# Altium PCB Cortes.PcbDoc (part 2 of 4) (continued)
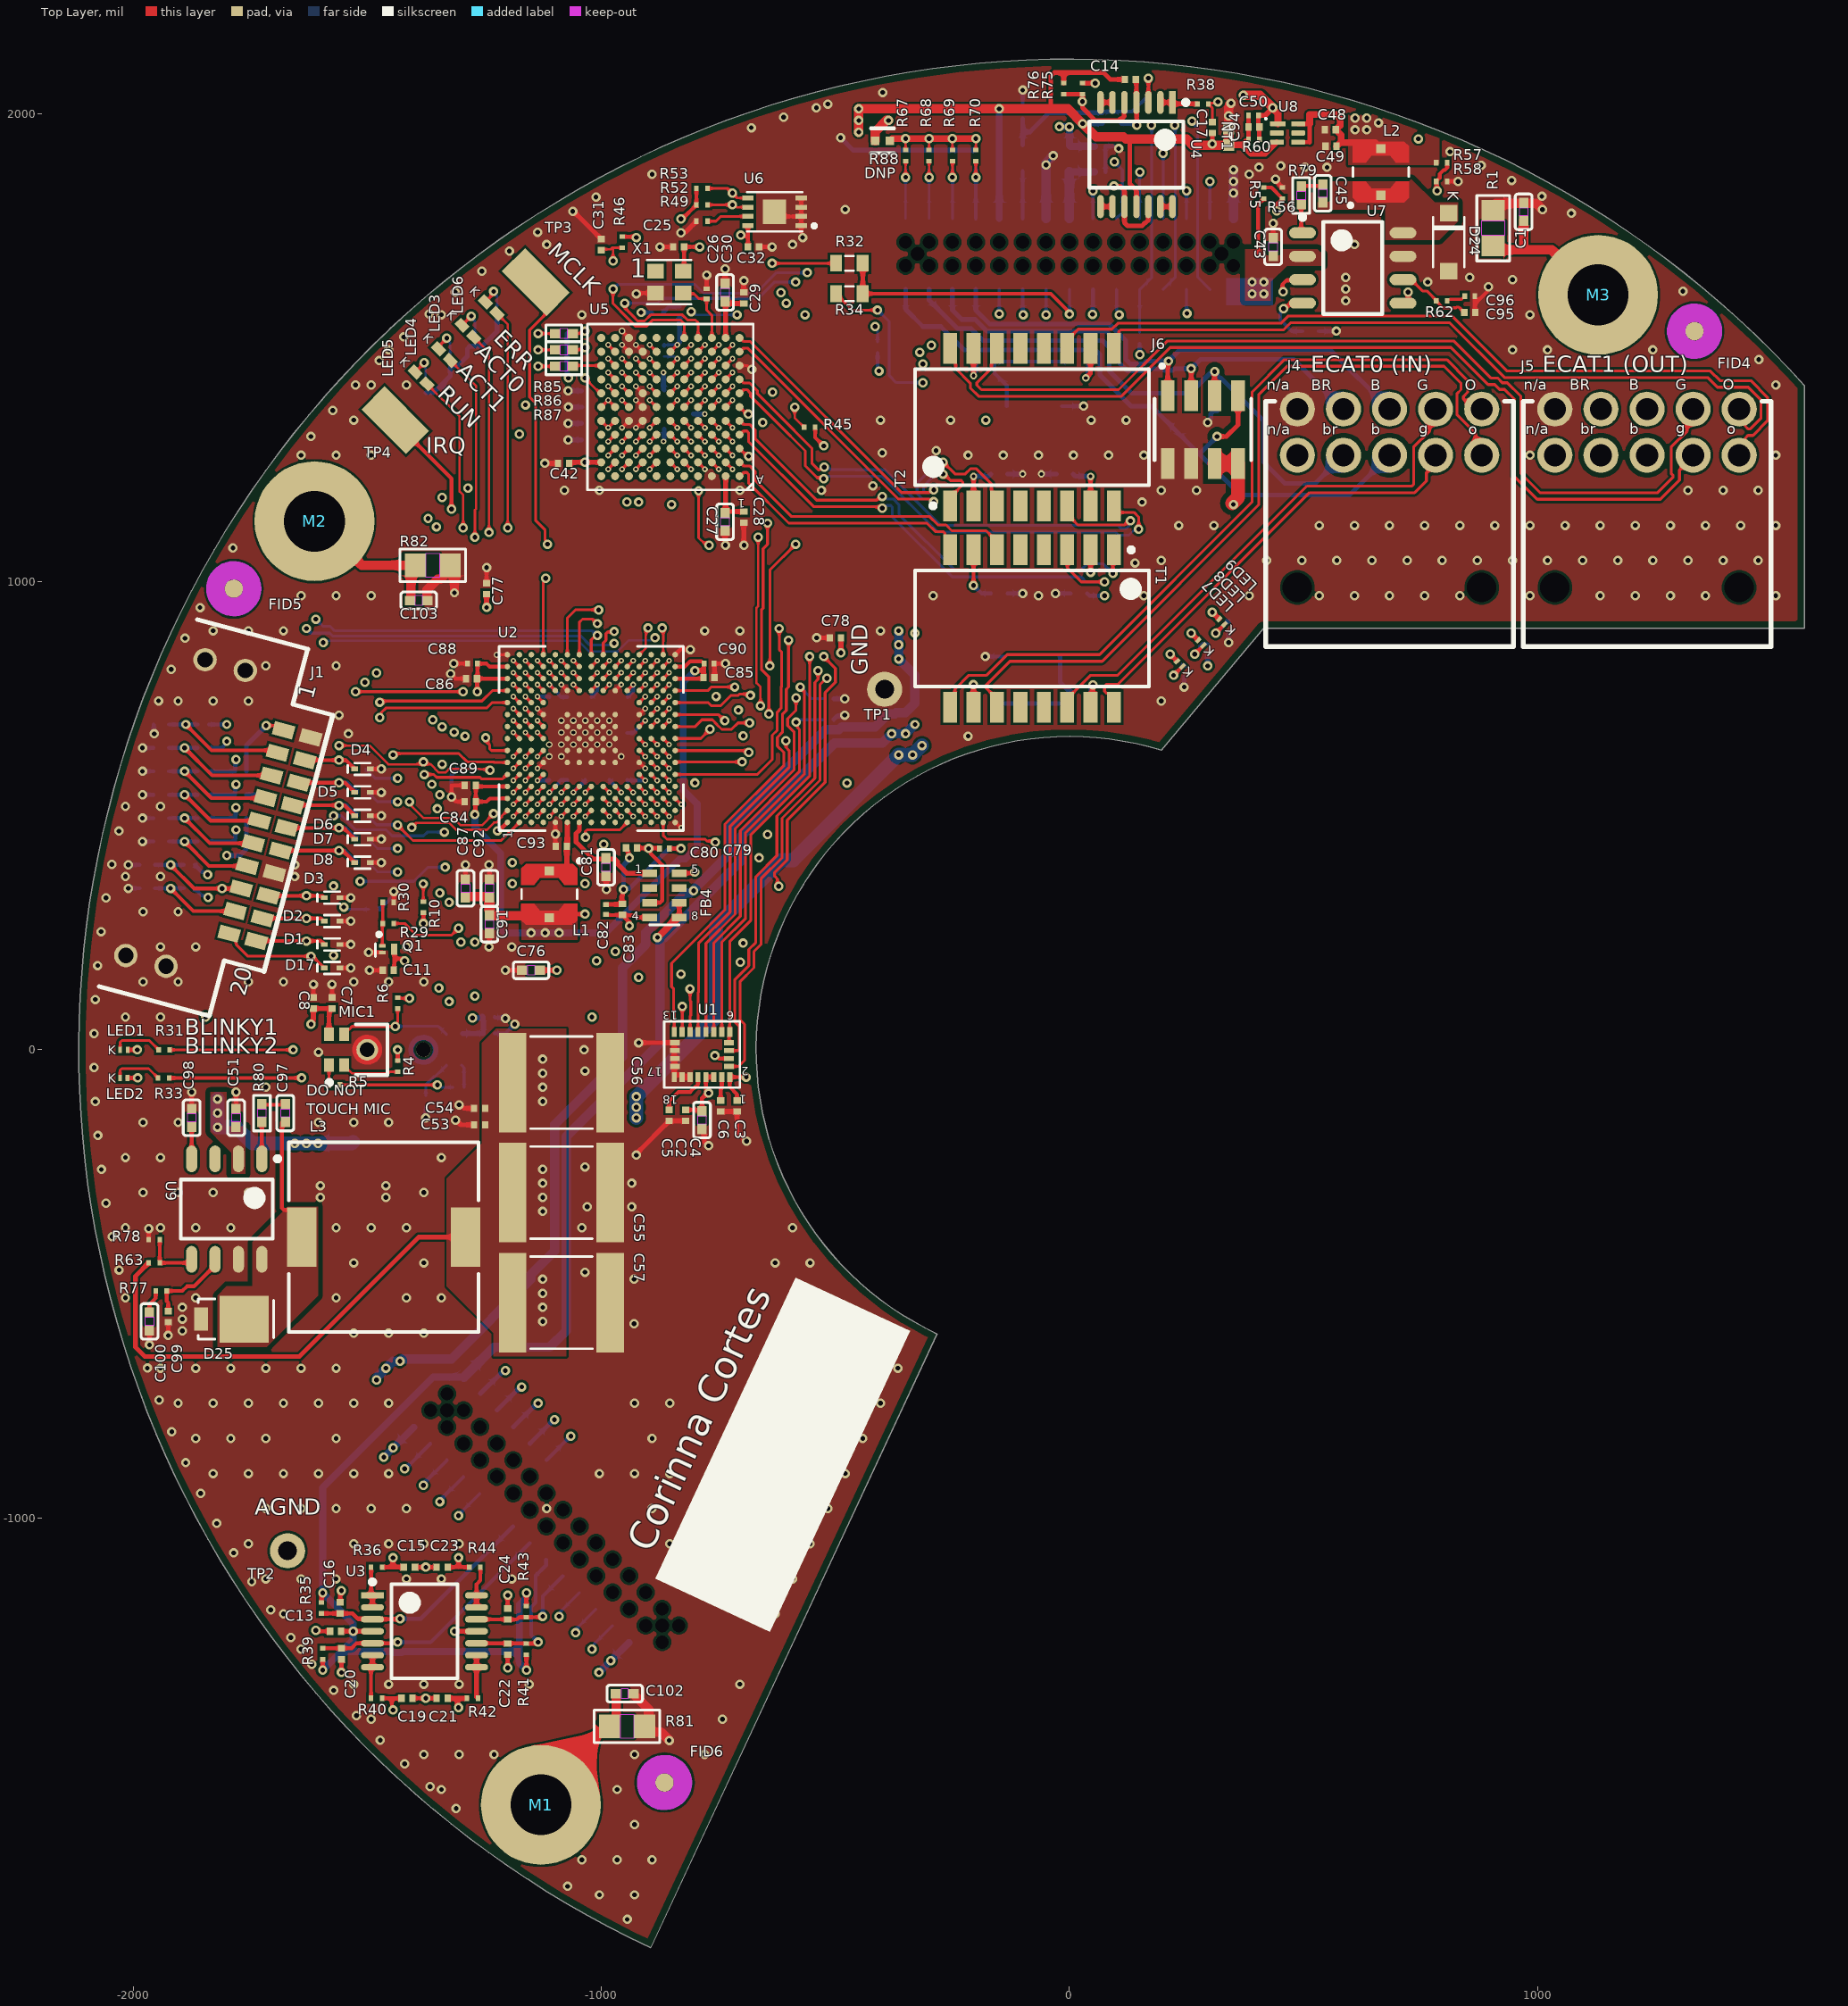
[diagram p0: Top Layer view]
## Nets (pads, with @x,y where several pads share a name; then routed paths per layer and width w, separated by ;. In a path a pad name is that pad's centre, name@x,y a point inside that pad or via, vN(x,y) a via of type N, cw(c..) or ccw(c..) an arc to the next point about the centre after c; other vN are vias at no path point) (continued)
  Top Layer w11: C50.1@403.63,1996 418,1996 v1(434,2012)
  Top Layer w15: v1(-880,240) FB4.8@-833.5,286.5 ; v1(434,2012) 434,2010.65 445,1999.65 U8.1@445,1978
  Top Layer w20: R88.2@-415.22,1941.7 -415.22,1961 -391.22,1985 v1(-386.75,1985) ; v1(371,2039) 407,2039 v1(434,2012)
  SL1 w9: v1(-330,890) v1(260,890)
  SL2 w9: v1(143.93,1975) 143.93,2043.75
  SL2 w15: -410,1985 -404.25,1979.25 -399.45,1984.04 -387.71,1984.04 v1(-386.75,1985)
  SL2 w20: v1(-380,675) v1(-350,675) v1(-330,695) v1(-330,890) -330,1400 -365,1435 -365,1600 -410,1645 -410,1985 -405.21,1989.79 -340,2055 -175,2055 -150,2080 -65,2080 -35.41,2050.41 40.41,2050.41 ; v1(54.76,2064.76) 40.41,2050.41 ; v1(434,2012) 407,2039 v1(371,2039) 360.5,2049.5 219.15,2049.5 217.32,2047.67 143.93,2047.67 81.97,2047.67 79.24,2050.41 40.41,2050.41
  Bottom Layer w9: R37.2@110,1978.19 137.76,1978.19 140.95,1975 v1(143.93,1975)
  Bottom Layer w15: v1(-1595,-1325) -1555,-1285 ; J3.1@-1293.47,-698.92 -1358.92,-698.92 -1595,-935 v1(-1595,-1160) -1530,-1225 v1(-1530,-1241.89) -1530,-1260 -1555,-1285 ; v1(-1160,-1325) -1175,-1310 -1175,-1285 ; v1(-1160,-1160) -1160.96,-1160.96 -1160.96,-1170.96 -1175,-1185 -1175,-1285 ; -1555,-1285 -1446.82,-1285 -1444.32,-1287.5 -1425.68,-1287.5 -1423.18,-1285 -1175,-1285
  Bottom Layer w20: J3.1@-1293.47,-698.92 J3.1@-1290.85,-696.31 -1229.55,-635 -1110,-635 -1075,-600 -1075,-185 -875,15 -875,235 v1(-880,240) -865,240 -700,405 -700,457.37 -502.37,655 -400,655 v1(-380,675) v1(-350,675) v1(-330,695)
3V3A_FILT: C79.1 C80.1 FB4.3 U2.M4 | length 345.2
  Top Layer w5: U2.M4@-919.05,562.58 v3(-906.26,549.79)
  Top Layer w8: C80.1@-923.6,431.16 -900,431.16 -876.79,431.16 C79.1@-875.63,430 ; v1(-899,430.08) -899,425.79 -894.94,421.73 -894.94,419.94 -870,395 -870,318.94 -874.69,314.25 FB4.3@-896.5,314.25
  SL2 w4: v3(-906.26,549.79) -893.76,537.29 -893.76,448.08 -894.28,447.56 -894.28,434.8 v1(-899,430.08)
3V3A_REF: C82.1 C83.1 FB4.4 U2.M3 | length 417.5
  Top Layer w5: U2.M3@-919.05,536.99 v3(-906.26,524.2)
  Top Layer w8: C82.1@-990,289.37 -988.88,288.25 -983.12,288.25 -983.06,288.19 C83.1@-955,288.19 C83.1@-954.21,287.4 ; v1(-940,265) -941.04,266.04 -941.04,274.23 C83.1@-954.21,287.4 ; FB4.4@-896.5,282.76 -922.52,282.76 -927.17,287.4 C83.1@-954.21,287.4
  SL1 w4: -925,470 -920,475 -920,492.78 -919.35,493.43 -919.35,511.11 v3(-906.26,524.2)
  SL1 w5: v1(-940,265) -940,269.06 -935,274.06 -935,285 -930,290 -930,383.45 -923,390.45 -923,417.04 -925,419.04 -925,470
3V3SMPS: C81.1 FB4.1 U2.G1 | length 232.9
  Top Layer w10: U2.G1@-1047.01,485.81 -1047.01,469.29 -1054.01,462.29 -1054.01,444.01 -1017.72,407.72 -990,407.72 -970.86,407.72 -965,401.86 -965,396.72 -945.53,377.24 FB4.1@-896.5,377.24
5V0: C46.1 C47.1 C48.1 C49.1 C58.1 FB2.1 L2.2 LED7.A R57.2 U8.4 U8.6 | length 2512.6
  Top Layer w8: v1(215,845) LED7.A@230,830 ; U8.4@488.31,1938.63 513.23,1938.63
  Top Layer w10: 513.23,1938.63 513.23,1978
  Top Layer w11: U8.6@488.31,1978 512.56,1978
  Top Layer w15: 513.23,1978 513.23,1997.72 569.43,1997.72 578.22,1988.93 578.22,1974.7 C48.1@568.89,1965.37 580.18,1954.09 580.18,1939.74 C49.1@570.43,1930 ; 578.41,1937.74 652.26,1937.74 L2.2@665,1925
  SL2 w8: v1(215,845) 215,910 400,1095 400,1425 525,1550 525,1965 525,1990
  SL2 w20: v1(-21.83,1971.83) v1@-1.35,1971.83 ; v1(-0.41,1971.43) -0.81,1971.83 v1@-1.35,1971.83 ; 525,1965 334.64,1965 318.11,1981.54 301.54,1981.54 270,1950 20,1950 2.5,1967.5 2.5,1967.98 v1@-1.35,1971.83 ; 525,1990 v1(610,1990) ; v1(610,1990) v1(635,1990) v1(635,1965) v1(610,1965) v1(610,1990)
  Bottom Layer w15: v1(-21.83,1971.83) -21.63,1971.63 -0.61,1971.63 v1(-0.41,1971.43) ; v1@0,1971.83 FB2.1@0,1931.84 1.84,1930 C58.1@53.19,1930
  other v1: 660,1980
24V0: C43.1 C44.1 C51.1 C101.1 J2.1 J6.6 J6.8 R55.2 U7.2 U9.2 | length 4056.2
  Top Layer w8: C51.1@-1780,-162.72 C51.1@-1775,-167.72 ; 403.01,1703.01 403.01,1806.2 R55.2@415,1818.19
  Top Layer w30: J6.6@310,1252.46 J6.8@360,1252.46 360,1180 v1@347.5,1167.5
  SL2 w30: v1(-1655,-200) v1(-1630,-200) v1(-1605,-200) -1425,-200 -1410,-185 -955,-185 -925,-155 v1(-925,-145) v1(-925,-122.5) v1(-925,-100) ; v1(-365,630) v1(-335,630) v1(-315,650) -245,720 95,720 165,790 165,925 350,1110 v1(350,1165) 350,1412.68 371,1433.68 371,1437.01 390,1456.01 v1(390,1615) v1(390,1640)
  Bottom Layer w30: v1(-1820,-105) v1(-1820,-135) v1(-1820,-165) -1780,-165 -1745,-200 v1(-1655,-200) v1(-1630,-200) v1(-1605,-200) -1533.15,-200 C101.1@-1530,-196.85 ; v1(-925,-145) v1(-925,-122.5) v1(-925,-100) -755,70 -755,265 -615,405 -590,405 v1(-365,630) v1(-335,630) v1(-315,650)
  other v1: 415,1615 415,1640
24V0_SAFE_ADC: J3.9 U2.P1 | length 1614.6
  Top Layer w6: U2.P1@-867.87,485.81 -867.87,457.87 -860,450 -778.5,450 -774.68,446.18 -759.18,446.18 v1(-756.5,443.5)
  SL1 w6: v1(-1100,-790) -834,-524 -834,-63.79 -819.6,-49.39 -819.6,13.28 -809,23.88 -809,100.13 -828.39,119.53 -828.39,137.85 -817.85,148.39 ; -817.81,148.39 -807,159.2 -807,263.56 -751,319.56 -751,435.71 -756.5,441.21 v1(-756.5,443.5)
  Bottom Layer w10: J3.9@-1152.05,-840.34 -1101.7,-790 v1(-1100,-790)
100MHz: C26.1 U5.L3 X1.3 | length 143.8
  Top Layer w6: X1.3@-825.47,1616.38 -824.09,1615 -801.93,1615 -791.3,1604.37 C26.1@-775,1604.37 -775,1580 -763.88,1568.88 U5.L3@-763.88,1520.67
AGM_CLK: U1.2 U2.P12 | length 1295.3
  Top Layer w5: U2.P12@-867.87,767.31 v3(-855.08,780.1)
  Top Layer w6: U1.2@-727.13,-35.39 -706.69,-35.39 -694,-22.7 -694,54.56 -703.75,64.3 -703.75,145.7 -674,175.44 -674,209.98 -659,224.98 -659,365.44 -614,410.44 -614,494.89 -533,575.89 -533,780 v1@-519.54,793.46
  SL2 w5: v3(-855.08,780.1) -784.9,780.1 -772.5,792.5 -727.13,792.5 -519.21,792.5 v1(-518.25,793.46)
AGM_CS_AG: R2.2 U1.7 U2.R12 | length 1141.4
  Top Layer w6: U2.R12@-842.28,767.31 -772.69,767.31 -765,775 v1(-715,775) ; U1.7@-742.68,38.03 -742.68,230.1 -692,280.77 -692,463.56 -566,589.56 -566,764.49 v1@-575,773.49
  SL2 w6: v1(-715,775) v1(-575,775)
  Bottom Layer w6: v1(-575,775) -550,750 R2.2@-526.81,750
AGM_CS_M: R3.2 U1.8 U2.R9 | length 1079.2
  Top Layer w6: U2.R9@-842.28,690.54 -799.46,690.54 -785,705 -762.74,705 -753.26,695.52 -753.26,695.1 -742.72,684.56 -727.13,684.56 -721.95,684.56 -708.03,698.47 v1(-683.47,698.47) ; U1.8@-759.61,38.03 -759.61,228.72 -703,285.33 -703,468.11 -577,594.11 -577,684.56 -581.32,688.88 -581.32,697.32 v1(-584,700)
  SL2 w6: v1(-683.47,698.47) -682.71,699.24 -584.76,699.24 v1(-584,700)
  Bottom Layer w6: v1(-584,700) -580.21,700 -575.21,705 R3.2@-526.81,705
AGM_DATA_EN_AG: U1.13 U2.P14 | length 1249.1
  Top Layer w5: U2.P14@-867.87,818.49 v3(-855.08,831.28)
  Top Layer w6: U1.13@-844.25,38.03 -844.25,84.15 -845.32,85.22 -845.32,130.32 -850,135 -850,185 -736,299 -736,481.78 -610,607.78 -610,635 -624,649 -624,667.46 -613.29,678.17 -613.29,716.71 -605,725 -605,770 -600,775 v1(-600,875)
  SL2 w5: v3(-855.08,831.28) -826,860.36 -826,866 -817,875 -727.13,875 v1(-600,875)
AGM_DRDY_M: U1.9 U2.R11 | length 1079.8
  Top Layer w6: U2.R11@-842.28,741.72 -771.72,741.72 -765,735 -745,735 -723,757 -707.54,757 -704.54,760 -690.51,760 -690.19,759.68 -684.09,759.68 v1(-681.41,757) ; U1.9@-776.54,38.03 -776.54,227.35 -714,289.89 -714,472.67 -588,598.67 -588,678.54 -602,692.54 -602,707.46 -591.46,718 -584.06,725.39 v1(-584.06,751.7)
  SL2 w6: v1(-681.41,757) -592,757 -586.7,751.7 v1(-584.06,751.7)
AGM_INT1_AG: U1.11 U2.B4 | length 1253.2
  Top Layer w5: v3(-1187.76,549.79) U2.B4@-1174.96,562.58
  Top Layer w6: U1.11@-810.39,38.03 -810.39,72.26 -809,73.66 -809,103.88 -810.39,105.27 v1(-810.39,130.39)
  SL1 w5: v1(-1345,545) -1341.72,545 -1329.22,557.5 -1315.71,557.5 -1197.9,557.5 -1190.19,549.79 v3(-1187.76,549.79)
  SL1 w6: v1(-1346.96,131.96) -1345.98,132.93 -1345.98,334.02 v1(-1345,335)
  SL2 w6: v1(-1346.96,131.96) -1345.91,133 -1048.46,133 -1045.86,130.39 v1(-810.39,130.39) ; v1(-1345,335) -1362.37,352.37 -1362.37,362.09 -1373.71,373.43 -1373.71,516.75 -1345.46,545 v1(-1345,545)
AGM_INT2_AG: U1.12 U2.C4 | length 1212.3
  Top Layer w5: v3(-1162.17,549.79) U2.C4@-1149.37,562.58
  Top Layer w6: U1.12@-827.32,38.03 -827.16,38.19 -827.16,92.52 v1(-827,92.68)
  SL1 w4: -1305,515 -1285,535 -1194.63,535 -1192.93,536.7 -1175.26,536.7 v3(-1162.17,549.79)
  SL1 w5: v1(-1350,515) -1330,515 -1327.5,512.5 -1315.71,512.5 ; -1315.58,512.5 -1313.08,515 -1305,515
  SL1 w6: v1(-1325,103) v1(-1325,315)
  SL2 w6: v1(-1350,515) -1350,475.46 -1362.71,462.75 -1362.71,377.99 -1344.94,360.22 -1344.77,360.22 -1325,340.46 v1(-1325,315) ; v1(-1325,103) -1283.46,103 -1277.46,97 -1031.44,97 -1027.12,92.68 v1(-827,92.68)
AGM_INT_M: U1.10 U2.N8 | length 1011.1
  Top Layer w5: U2.N8@-893.46,664.94 v3(-880.67,652.15)
  Top Layer w6: U1.10@-793.46,38.03 -793.46,121.87 -792.39,122.94 -792.39,227.05 -725,294.44 -725,477.23 -599,603.23 -599,639.56 -605.29,645.84 -605.29,657.35 v1@-606,658.06
  SL2 w4: v3(-880.67,652.15) -868.17,639.65 -849.9,639.65 -849.55,640 -820,640
  SL2 w5: -820,640 -710,640 -700,650 -696.89,653.11 -689.7,653.11 -687.82,655 -608.93,655 -606,657.93 v1(-606,660)
AGM_MISO: U1.5 U1.6 U2.P13 | length 1232.4
  Top Layer w5: U2.P13@-867.87,792.9 v3(-855.08,805.69)
  Top Layer w6: U1.5@-727.13,15.39 -727.13,36.65 U1.6@-725.75,38.03 -725.75,231.47 -681,276.22 -681,459 -555,585 v1(-555,840)
  SL2 w6: v3(-855.08,805.69) -839.31,805.69 -810,835 -770,835 -760,845 -720,845 -715,840 v1(-555,840)
AGM_MOSI: U1.4 U2.M12 | length 1311.9
  Top Layer w5: U2.M12@-919.05,767.31 v3(-906.26,780.1)
  Top Layer w6: U1.4@-727.13,-1.54 -708.51,-1.54 -705,1.98 -705,50 -714.75,59.75 -714.75,150.25 -685,180 -685,214.54 -670,229.54 -670,370 -625,415 -625,499.44 -544,580.44 -544,784.56 -537,791.56 v1@-537,810.21
  SL2 w4: v3(-906.26,780.1) -893.17,793.19 -834.2,793.19
  SL2 w5: -834.2,793.19 -831,790 -795,790 -782.5,802.5 -727.13,802.5 -632.75,802.5 -625.25,810 v1(-537,810)
AGND: C13.2 C14.2 C15.2 C16.2 C17.2 C18.2 C19.2 C20.2 C21.2 C22.2 C23.2 C24.2 C50.2 C79.2 C80.2 C82.2 C83.2 C94.2 J2.22 J3.2 J3.28 NT1.2 R60.1 R61.2 R76.1 TP2.1 U2.L4 U2.N3 U3.11 U4.11 U8.3 | length 7170.9
  Top Layer w5: U2.L4@-944.65,562.58 v3(-931.85,549.79) ; U2.N3@-893.46,536.99 v3(-880.67,524.2)
  Top Layer w8: v1(-1610,-1240) -1608.11,-1241.89 C13.2@-1579.45,-1241.89 ; C16.2@-1557.64,-1180.08 -1557.64,-1163.19 -1557.3,-1162.85 -1557.3,-1157.3 v1(-1555,-1155) ; v1(-1555,-1330) C20.2@-1555,-1301.81 ; C19.2@-1403.19,-1385 v1(-1375,-1385) C21.2@-1351.81,-1385 ; C15.2@-1398.19,-1105 v1(-1375,-1105) C23.2@-1351.81,-1105 ; v1(-1200,-1320) C22.2@-1200,-1291.81 ; C24.2@-1200,-1193.19 v1(-1200,-1165) ; C80.2@-947.22,431.16 -947.22,430.17 -942.3,425.25 -942.3,412.3 v2(-940,410) ; C79.2@-854.37,430 v1(-830,430)
  Top Layer w10: v1(-1313.11,-1241.89) U3.11@-1266.42,-1241.89 ; C82.2@-990,310.63 -956.18,310.63 -956.18,328.7 -954.41,330.47 -954.41,340.59 v1(-952.5,342.5) ; -40,2010 -40,2080 -32.4,2087.6 -12.4,2087.6 ; R76.1@-12.4,2064.76 -12.4,2087.6 ; C14.2@118.21,2072.67 87.33,2072.67 72.4,2087.6 -12.4,2087.6 ; 128.88,1936.48 128.88,1850 142.95,1835.92 U4.11@142.95,1801.18 ; v1(305,1935) C17.2@305,1958.19 ; NT1.2@340,1932.28 NT1.2@340.71,1932.99 ; 368.01,1932.99 376.78,1941.77 379.78,1941.77 382.19,1944.17 R60.1@382.19,1945 ; R60.1@382.19,1948.83 C94.2@382.19,1971 382.19,1993 382.19,1995.82 C50.2@382.37,1996
  Top Layer w12: 368.01,1932.99 387,1914 418.4,1914 U8.3@443.03,1938.63
  Top Layer w15: NT1.2@340.71,1932.99 368.01,1932.99
  Top Layer w20: v1(-450,1960) v1(-450,1985) v1(-450,2010) v1(-150,2010) -40,2010 -3.62,2010 v1(28.19,1978.19) 56.38,1950 115.36,1950 120.36,1945 128.88,1945 250,1945 262.72,1932.28 305,1932.28 NT1.2@340,1932.28
  SL1 w10: v1(-365,835) -350,820 v1(295,820)
  SL2 w4: -920,480 -920,492.78 -919.35,493.43 -919.35,529.37 -920,530.02 -920,537.94 v3(-931.85,549.79) -919.35,562.29 -874.63,562.29 -868.17,555.83 -868.17,536.7 v3(-880.67,524.2)
  SL2 w5: v2(-940,410) -920,430 -920,480
  SL2 w10: v1(-952.5,342.5) -950.59,340.59 -943.52,340.59 -942.93,340 v1(-802.76,340)
  SL2 w20: v1(-450,2010) v1(-450,1960) -450,1435 -365,1350 v1(-365,895) v1(-365,865) v1(-365,835)
  Bottom Layer w8: -855,430 v1(-830,430)
  Bottom Layer w10: v2(-940,410) -940,407.29 -952.5,394.79 v1(-952.5,342.5) -950.59,344.41 -940.59,344.41 -855,430 ; v1(28.19,1978.19) C18.2@70,1978.19 ; v1(295,820) R61.2@295,843.19
  Bottom Layer w15: v1(-1464.55,-870) v1(-1444.55,-850) J3.2@-1400.65,-806.1 ; v1(-1005,-1330) v1(-980,-1305) -941.03,-1266.03 J3.28@-941.03,-1265.72 ; J2.22@-150,1775.79 v1(-150,2010)
  Bottom Layer w20: v1(-1480,-705) -1480,-700 v1(-1460,-680) -1445,-665 v1(-1430,-665) -1425,-660 -1320,-660 -1150,-490 -1150,-479.64 -1100,-429.64 -1100,-160 -955,-15 -955,175 -905,225 -905,250.36 -820.36,335 -809.64,335 -725,419.64 -725,480 -520.91,684.09 -492.05,684.09 -486.15,690 -415,690 -387.5,717.5 -373.25,717.5 -370.75,720 -350,720 -330,740 -330,800 v1(-365,835) v1(-365,865) v1(-365,895)
BLINKY1: D3.K J1.16 R31.1 U2.J13 | length 2058.2
  Top Layer w5: U2.J13@-995.83,792.9 v3(-983.03,805.69)
  Top Layer w6: R31.1@-1921.71,0 v1(-1658,0)
  Top Layer w8: J1.16@-1711.23,329.12 v1(-1630,329.12) -1595.66,329.12 D3.K@-1591.54,325
  SL1 w4: v3(-983.03,805.69) -970,818.72 -970,865.8 v1(-972.58,868.38)
  SL1 w6: v1(-1658,0) -1656.39,0 -1651,5.39 -1651,308.12 v1(-1630,329.12) v1(-1630,900)
  Bottom Layer w5: -983.43,865 -982.88,865.55 -975.41,865.55 v1(-972.58,868.38)
  Bottom Layer w6: v1(-1630,900) -1620,890 -1580,890 -1574,884 -1044,884 -1025,865 -983.43,865
BLINKY2: D1.K J1.20 R33.1 U2.M13 | length 2216.6
  Top Layer w5: U2.M13@-919.05,792.9 v3(-906.26,805.69)
  Top Layer w8: R33.1@-1923.19,-60 v1(-1640,-60) ; J1.20@-1737.11,232.53 v1(-1630,232.53) -1607.99,232.53 -1606.84,233.68 -1600.21,233.68 D1.K@-1591.54,225
  SL1 w4: v3(-906.26,805.69) -891.16,820.79 -891.16,824.1 -893.17,826.11 -893.17,836.46 -890,839.63 -890,870.67 -885,875.67 v1(-885,880)
  SL1 w6: v1(-1640,-60) -1640,221.85 v1@-1630,231.85 ; v1(-1630,232.53) -1601,261.53 -1601,859.49 -1594,866.49 v1(-1594,870)
  SL1 w8: v1@-1630,231.85 v1(-1630,232.53)
  Bottom Layer w5: v1(-1594,870) -1591.13,872.87 -1584.2,872.87 -1583.57,873.5 -1048.35,873.5 -1025.73,850.88 -965.33,850.88 -941.2,875 -894.06,875 -889.06,880 v1(-885,880)
BOOT0: D17.K J1.19 R9.2 R87.2 U2.C5 | length 2216.5
  Top Layer w5: v1(-1560,650) -1495,650 -1455,610 -1364.75,610 -1347.25,592.5 -1332.75,592.5 -1325.25,600 -1259.5,600 -1258.87,599.37 -1239.79,599.37 v1(-1237.5,597.08) ; v3(-1162.17,575.38) U2.C5@-1149.37,588.17
  Top Layer w6: J1.19@-1779.8,232.79 -1779.8,224.8 -1755,200 v1(-1620,200) -1616.54,200 D17.K@-1591.54,175 ; v1(-1135,1460) R87.2@-1100.18,1460
  SL1 w4: v1(-1237.5,597.08) -1235.17,596.5 -1234.4,595.73 -1227.14,588.47 -1175.26,588.47 v3(-1162.17,575.38)
  SL1 w6: v1(-1620,200) -1590,230 -1590,620 v1(-1560,650)
  SL2 w6: v1(-1380,615) -1380,639.44 -1391,650.44 -1391,651 -1415,675 -1415,1205 -1160,1460 v1(-1135,1460)
  Bottom Layer w5: R9.2@-1283.19,600 -1282.19,599 -1239.42,599 v1(-1237.5,597.08)
BUS_VOLTAGE_ADC: J3.11 U2.R10 | length 1857.9
  Top Layer w6: U2.R10@-842.28,716.13 -749.98,716.13 -737.18,703.33 v1(-736.03,703.33)
  SL1 w6: v1(-1065,-825) -823,-583 -823,-68.35 -808.6,-53.94 -808.6,8.72 -792.39,24.93 -792.39,262.61 -739,316 -739,383.45 -739,507.43 -745,513.43 -745,660 -750,665 -750,689.36 v1(-736.03,703.33)
  Bottom Layer w8: J3.11@-1116.69,-875.7 -1065.99,-825 v1(-1065,-825)
C_nRST: C11.1 D15.K J1.15 Q1.3 R25.2 | length 848.8
  Top Layer w5: v1@-1819.42,344.65 v1(-1810,344.65)
  Top Layer w8: v1(-1920,395) -1869.65,344.65 v1@-1819.42,344.65 ; v1(-1810,344.65) J1.15@-1769.19,344.65 J1.15@-1772.9,348.36 ; C11.1@-1442.2,170.98 -1442.2,195 ; Q1.3@-1442.2,215 -1442.2,195 ; v1@-1423.25,190 -1428.25,195 -1442.2,195
  SL1 w5: v1(-1572,202) v1(-1572,350)
  SL2 w5: v1(-1810,344.65) -1655.35,344.65 -1650,350 v1(-1572,350) ; v1(-1572,202) -1527,202 -1515,190 v1(-1420,190)
  Bottom Layer w8: D15.K@-1953.46,395 v1(-1920,395) R25.2@-1891.81,395
DRIVE_THERM: C24.1 J3.20 R43.1 U3.12 | length 247.8
  Top Layer w8: U3.12@-1266.42,-1216.3 -1200.51,-1216.3 C24.1@-1200,-1216.81 -1180.59,-1216.81 -1175.59,-1211.81 R43.1@-1160,-1211.81 -1126.81,-1211.81 v1(-1125,-1210)
  Bottom Layer w8: v1(-1125,-1210) -1125,-1166.85 J3.20@-1082.45,-1124.3
DRIVE_THERM_ADC: C23.1 R44.2 U2.K3 | length 3183
  Top Layer w5: U2.K3@-970.24,536.99 v3(-957.44,524.2)
  Top Layer w8: C23.1@-1328.19,-1105 -1305,-1105 ; v1(-1305,-1085) -1305,-1105 ; R44.2@-1281.81,-1105 -1305,-1105
  SL1 w6: v1(-1305,-1085) -1305,-1184.12 -1295.11,-1194.01 -1295.11,-1289.33 -1209.72,-1374.72 -1177.44,-1407 -828.67,-1407 -693,-1271.33 -693,-263.67 -741.38,-215.29 -741.38,-37.19 -728.6,-24.41 -728.6,-0.39 -732,3.01 -732,238 -660,310 v1@-660,410
  SL2 w4: v3(-957.44,524.2) -944.94,511.7 -944.94,493.43 -945,493.37 -945,445
  SL2 w5: -945,445 -945,429.69 -961,413.69 -961,398 -956,393 -927,393 -910,410 -785.86,410 v1(-663,410)
E_MCLK: TP3.1 U5.F2 | length 1512.7
  Top Layer w5: U5.F2@-734.35,1373.04 v3(-719.59,1387.8)
  Top Layer w6: TP3.1@-1140,1640 -1117.88,1617.88 -1117.88,1572.57 -1153,1537.46 -1153,1394 -1140,1381 -1140,1130 -1120,1110 -1120,1088.79 -1115,1083.79 v1(-1115,1080)
  SL1 w5: v1(-1115,1080) -1112.5,1082.5 -980,1082.5 -822.9,1082.5 -785.88,1119.52 -744.77,1119.52 -729.29,1135 -706.72,1135 -630,1211.72 -630,1304.94 -569.5,1365.44 -569.5,1379.93 -569.78,1380.22 -584.57,1395 -595,1395 -602.5,1387.5 -641.25,1387.5 -641.55,1387.8 -663.39,1387.8 v3(-719.59,1387.8)
E_MDIO: R45.1 U5.F3 | length 241.9
  Top Layer w5: U5.F3@-763.88,1373.04 v3(-749.11,1387.8) ; v1(-587,1372.68) -587,1350.19 R45.1@-566.81,1330
  SL1 w5: v3(-749.11,1387.8) -734.61,1373.3 -695.38,1373.3 -693.4,1375.28 -625,1375.28 -589.59,1375.28 v1(-587,1372.68)
E_MFC_IRQ: TP4.1 U5.E6 | length 913.9
  Top Layer w5: U5.E6@-852.46,1343.51 v3(-837.7,1328.74)
  Top Layer w8: TP4.1@-1460,1360 -1320,1220 v1(-1320,1155)
  SL1 w5: v1(-1320,1155) -1227.18,1155 -1219.68,1162.5 -1090,1162.5 -1064.18,1162.5 -1054.18,1152.5 -898.68,1152.5 -870.08,1181.1 -870.08,1275.59 -852.36,1293.31 -852.36,1314.08 v3(-837.7,1328.74)
ECAT_EEPROM_CLK: R52.1 U5.H4 U6.6 | length 495.7
  Top Layer w5: U5.H4@-793.41,1432.09 v3(-778.64,1446.85) ; v1(-720,1805) -715.94,1805 -710.78,1799.84 U6.6@-687.09,1799.84
  Top Layer w6: R52.1@-773.19,1805 v1(-720,1805)
  SL2 w5: v3(-778.64,1446.85) -763.78,1461.72 -763.78,1561.02
  SL2 w6: -763.78,1561.02 -763.78,1606.22 -715,1655 -715,1680 -720,1685 v1(-720,1805)
ECAT_EEPROM_DATA: R53.1 U5.H5 U6.5 | length 552.9
  Top Layer w5: U5.H5@-822.93,1432.09 v3(-808.17,1446.85) ; v1(-720,1830) -709.53,1819.53 U6.5@-687.09,1819.53
  Top Layer w6: R53.1@-773.19,1840 -730.51,1840 -720.51,1830 v1(-720,1830)
  SL2 w5: v3(-808.17,1446.85) -793.14,1461.88 -793.14,1522.83 -790.67,1525.3 -790.67,1605
  SL2 w6: -790.67,1605 -790.67,1630.67 -805,1645 -805,1665 -745,1725 -745,1815 -732.44,1827.56 -722.44,1827.56 v1(-720,1830)
ECAT_LATCH_IN0: U2.J15 U5.C7 | length 495.3
  Top Layer w5: v3(-896.75,1269.69) U5.C7@-881.99,1284.45
  Top Layer w6: U2.J15@-995.83,844.08 -995.83,869.17 -990,875 -990,889.11 -986.49,892.62 -973.23,892.62 v1(-972.42,893.43)
  SL1 w5: v1(-920,1170) -920,1225.93 -911.78,1234.16 -911.78,1254.66 v3(-896.75,1269.69)
  SL2 w6: v1(-972.42,893.43) -972.42,920.85 -972.42,921.01 -971,922.44 -971,1019 -919.94,1070.06 -919.94,1145 -919.94,1169.93 v1(-920,1170)
ECAT_LATCH_IN1: U2.B5 U5.C6 | length 1481.1
  Top Layer w5: v3(-1187.76,575.38) U2.B5@-1174.96,588.17 ; U5.C6@-852.46,1284.45 v3(-837.7,1269.69)
  SL1 w5: v1(-1370,1135) -1315,1135 -1305,1145 -1223.03,1145 -1215.53,1152.5 -1080.67,1152.5 -1070.67,1142.5 -847.75,1142.5 -822.83,1167.42 -822.83,1254.83 v3(-837.7,1269.69)
  SL1 w6: v1(-1361.92,567.25) -1360.06,567.25 -1346.85,580.47 -1344.02,580.47 -1341.49,583 -1314.67,583 -1311.67,580 -1305,580 -1300.38,575.38 v3(-1187.76,575.38)
  SL2 w6: v1(-1370,1135) -1370,800 -1370,745 -1380,735 -1380,655 -1360,635 -1360,569.18 v1(-1361.92,567.25)
ECAT_LED_ACT0: LED3.A U5.D3 | length 1254.7
  Top Layer w5: LED3.A@-1272.47,1522.47 -1240,1490 v1(-1240,1105) ; U5.D3@-763.88,1313.98 v3(-749.11,1299.22)
  SL1 w5: v1(-1240,1105) -1214.75,1105 -1207.25,1097.5 -1160.43,1097.5 -1150.43,1107.5 -1092.24,1107.5 -1087.24,1102.5 -831.18,1102.5 -794.16,1139.52 -753.05,1139.52 -737.57,1155 -715,1155 -650,1220 -650,1258.27 -677.19,1285.46 -704.73,1285.46 -705.47,1284.72 -734.61,1284.72 v3(-749.11,1299.22)
ECAT_LED_ACT1: LED4.A U5.E3 | length 1316.6
  Top Layer w5: LED4.A@-1322.47,1472.47 -1267.5,1417.5 -1267.5,1155.84 -1270,1153.34 v1(-1270,1095) ; U5.E3@-763.88,1343.51 v3(-749.11,1328.74)
  SL1 w5: v1(-1270,1095) -1267.13,1092.13 -1251.88,1092.13 -1247.25,1087.5 -1156.29,1087.5 -1146.29,1097.5 -1096.38,1097.5 -1091.38,1092.5 -827.04,1092.5 -790.02,1129.52 -748.91,1129.52 -733.43,1145 -710.86,1145 -640,1215.86 -640,1298.02 -656.23,1314.24 -734.61,1314.24 v3(-749.11,1328.74)
ECAT_LED_ERR: LED6.A U5.C3 | length 1089.7
  Top Layer w5: LED6.A@-1222.47,1572.47 -1200,1550 v1(-1200,1115) v1@-1200,1110 ; U5.C3@-763.88,1284.45 v3(-749.11,1269.69)
  SL1 w5: v1(-1200,1115) -1197.5,1117.5 -1088.1,1117.5 -1083.1,1112.5 -835.33,1112.5 -798.3,1149.52 -757.9,1149.52 -752.42,1155 -751.72,1155 -739.11,1167.6 -739.11,1205.89 -734.25,1210.75 -734.25,1254.83 v3(-749.11,1269.69)
ECAT_LED_RUN: LED5.A U5.B3 | length 1006.1
  Top Layer w5: LED5.A@-1372.47,1422.47 -1302.5,1352.5 -1302.5,1192.75 -1295,1185.25 v1(-1295,1115) ; U5.B3@-763.88,1254.93 v3(-749.11,1240.16)
  SL1 w5: v1(-1295,1115) -1254.75,1115 -1247.25,1122.5 -1217.25,1122.5 -1207.25,1132.5 -1088.96,1132.5 -1078.96,1122.5 -839.47,1122.5 -802.45,1159.52 -762.04,1159.52 -749.11,1172.45 v3(-749.11,1240.16)
ECAT_MFC_CS: U2.B10 U5.D4 | length 1379.2
  Top Layer w5: v3(-1187.76,728.92) U2.B10@-1174.96,716.13 ; U5.D4@-793.41,1313.98 v3(-778.64,1299.22)
  SL1 w5: v1(-1352,1117.32) -1349.32,1120 -1315.86,1120 -1300.86,1135 -1218.89,1135 -1211.39,1142.5 -1084.82,1142.5 -1074.82,1132.5 -843.61,1132.5 -806.59,1169.52 -780.48,1169.52 -763.78,1186.22 -763.78,1284.35 v3(-778.64,1299.22)
  SL1 w6: v1(-1360,705) -1356.21,705 -1352.97,708.24 -1351.21,710 -1315.71,711.48 -1243.63,714.5 -1229.21,728.92 v3(-1187.76,728.92)
  SL2 w6: v1(-1360,705) -1360,707.51 -1352,715.51 v1(-1352,1117.32)
ECAT_MFCIO_0: U2.D9 U5.J8 | length 1334.2
  Top Layer w5: v3(-1136.57,703.33) U2.D9@-1123.78,690.54 ; v3(-926.28,1476.38) U5.J8@-911.52,1461.62
  SL1 w4: -1225,690 -1193.17,690 -1192.93,690.24 -1149.67,690.24 v3(-1136.57,703.33)
  SL1 w5: v1(-1285,1200) -1265,1200 -1097.5,1367.5 -1097.5,1479.47 -1094.47,1482.5 -1090,1482.5 -1027.05,1482.5 -1018.67,1490.88 -940.78,1490.88 v3(-926.28,1476.38)
  SL1 w6: v1(-1314.41,678.78) -1310.62,678.78 -1299.9,689.5 -1262.38,689.5 -1261.38,690.5 -1259.27,691 -1257.77,692.5 -1236.23,692.5 -1225.5,690.5 -1225,690
  SL2 w6: v1(-1314.41,678.78) -1313.53,679.66 -1313.53,701.35 -1309.5,705.38 -1309.5,724.5 -1315.71,730.71 -1315.71,779.29 -1295,800 -1295,1085 -1315,1105 -1315,1130 -1285,1160 v1(-1285,1200)
ECAT_MFCNES: U2.L13 U5.C5 | length 605.4
  Top Layer w5: U2.L13@-944.65,792.9 v3(-931.85,805.69) ; U5.C5@-822.93,1284.45 v3(-808.17,1269.69) ; v1(-792.24,1194.04) -792.24,1145 -792.24,1093.93 -779.18,1080.87 -772.86,1080.87 v1(-769.99,1078)
  SL1 w5: v3(-808.17,1269.69) -793.14,1254.66 -793.14,1234.16 -792.24,1233.25 v1(-792.24,1194.04)
  SL2 w4: v3(-931.85,805.69) -918.76,818.78 -918.76,905.57 -916,908.33 -916,920.85
  SL2 w6: -916,920.85 -916,959 -797,1078 v1(-769.99,1078)
ECAT_PDI_CLK: U2.P15 U5.K3 | length 1183.7
  Top Layer w5: v1(-870,901) -870,900 -867.5,897.5 -867.5,872.75 -867.87,872.38 U2.P15@-867.87,844.08 ; U5.K3@-763.88,1491.15 v3(-749.11,1505.91)
  SL1 w5: v3(-749.11,1505.91) -749.11,1575.69 -729.8,1595 v1(-605,1595)
  SL2 w6: v1(-870,901) -870,965 -815,1020 -680,1020 -605,1095 v1(-605,1595)
ECAT_PDI_CS: U2.R5 U5.L4 | length 1911.3
  Top Layer w6: v1(-950,1595) -950,1585 -933,1568 -933,1567.54 -922.46,1557 -907.54,1557 -894.54,1570 -826.79,1570 -815.62,1558.83 -798.83,1558.83 -793.41,1553.41 U5.L4@-793.41,1520.67 ; U2.R5@-842.28,588.17 -666.83,588.17 -635,620 -635,672.01 -624.29,682.73 -624.29,721.27 -616,729.56 -616,774.56 -615,775.56 -615,850 -620,855 v1(-620,900)
  SL2 w6: v1(-620,900) -620,1005 -567,1058 -567,1087.46 -574,1094.46 -574,1326 -545,1355 -545,1580 -585,1620 v1(-585,1640)
  Bottom Layer w6: v1(-950,1595) -880,1595 -870,1605 -665,1605 -630,1640 v1(-585,1640)
ECAT_PDI_EOF: U2.P10 U5.G3 | length 1206.4
  Top Layer w5: U2.P10@-867.87,716.13 v3(-855.08,728.92) ; U5.G3@-763.88,1402.56 v3(-749.11,1417.33)
  Top Layer w6: v1(-645,1125) -645,1080 -654.5,1070.5 -654.5,943.02 -658,939.52 -658,812.54 -642,796.54 -642,717.57 v1(-642.29,717.29)
  SL1 w5: v3(-749.11,1417.33) -734.09,1432.35 -607.35,1432.35 -570,1395 -570,1394.58 -565.64,1390.22 -559.5,1384.08 -559.5,1361.29 -620,1300.79 -620,1135 -630,1125 v1(-645,1125)
  SL2 w6: v3(-855.08,728.92) -810.61,728.92 -810.19,728.5 -768.5,728.5 -764,724 -731.25,724 -727.13,719.87 -714.78,707.53 -699.87,707.53 -687.4,720 -670.46,720 -667.46,717 -652.54,717 -652.26,717.29 v1(-642.29,717.29)
ECAT_PDI_IRQ: U2.M15 U5.J3 | length 1279.6
  Top Layer w5: U2.M15@-919.05,844.08 -905,858.13 -905,900 -904,901 v1(-900,901) ; U5.J3@-763.88,1461.62 v3(-749.11,1476.38)
  SL1 w5: v3(-749.11,1476.38) -763.78,1491.05 -763.78,1576.22 -725,1615 -618.54,1615 v1(-616.18,1617.36)
  SL2 w5: v1@-619.05,1614.49 v1(-616.18,1617.36)
  SL2 w6: v1(-900,901) -900.44,901.43 -900.44,950.12 -819.56,1031 -684.56,1031 -616,1099.56 -616,1545 -625,1554 -625,1604.75 -618.86,1610.89 -618.86,1614.3 v1@-619.05,1614.49
ECAT_PDI_MISO: U2.M11 U5.K5 | length 1430.3
  Top Layer w5: U2.M11@-919.05,741.72 v3(-906.26,754.51) ; U5.K5@-822.93,1491.15 v3(-808.17,1505.91)
  Top Layer w6: v1(-640,820) -640,1025 v1(-585,1080)
  SL1 w4: v3(-906.26,754.51) -893.46,767.31 -777.69,767.31 -750,795 -727.13,795
  SL1 w5: v3(-808.17,1505.91) v1(-808.17,1576.83) ; -727.13,795 -665,795 v1(-640,820) ; v1(-710,1570) v1(-565,1570)
  SL2 w6: v1(-585,1080) -585,1335 -565,1355 v1(-565,1570)
  Bottom Layer w5: v1(-808.17,1576.83) -804.57,1576.83 -797.74,1570 v1(-710,1570)